# Altium PCB GEM_AFE_128.PcbDoc (part 6 of 18) (continued)
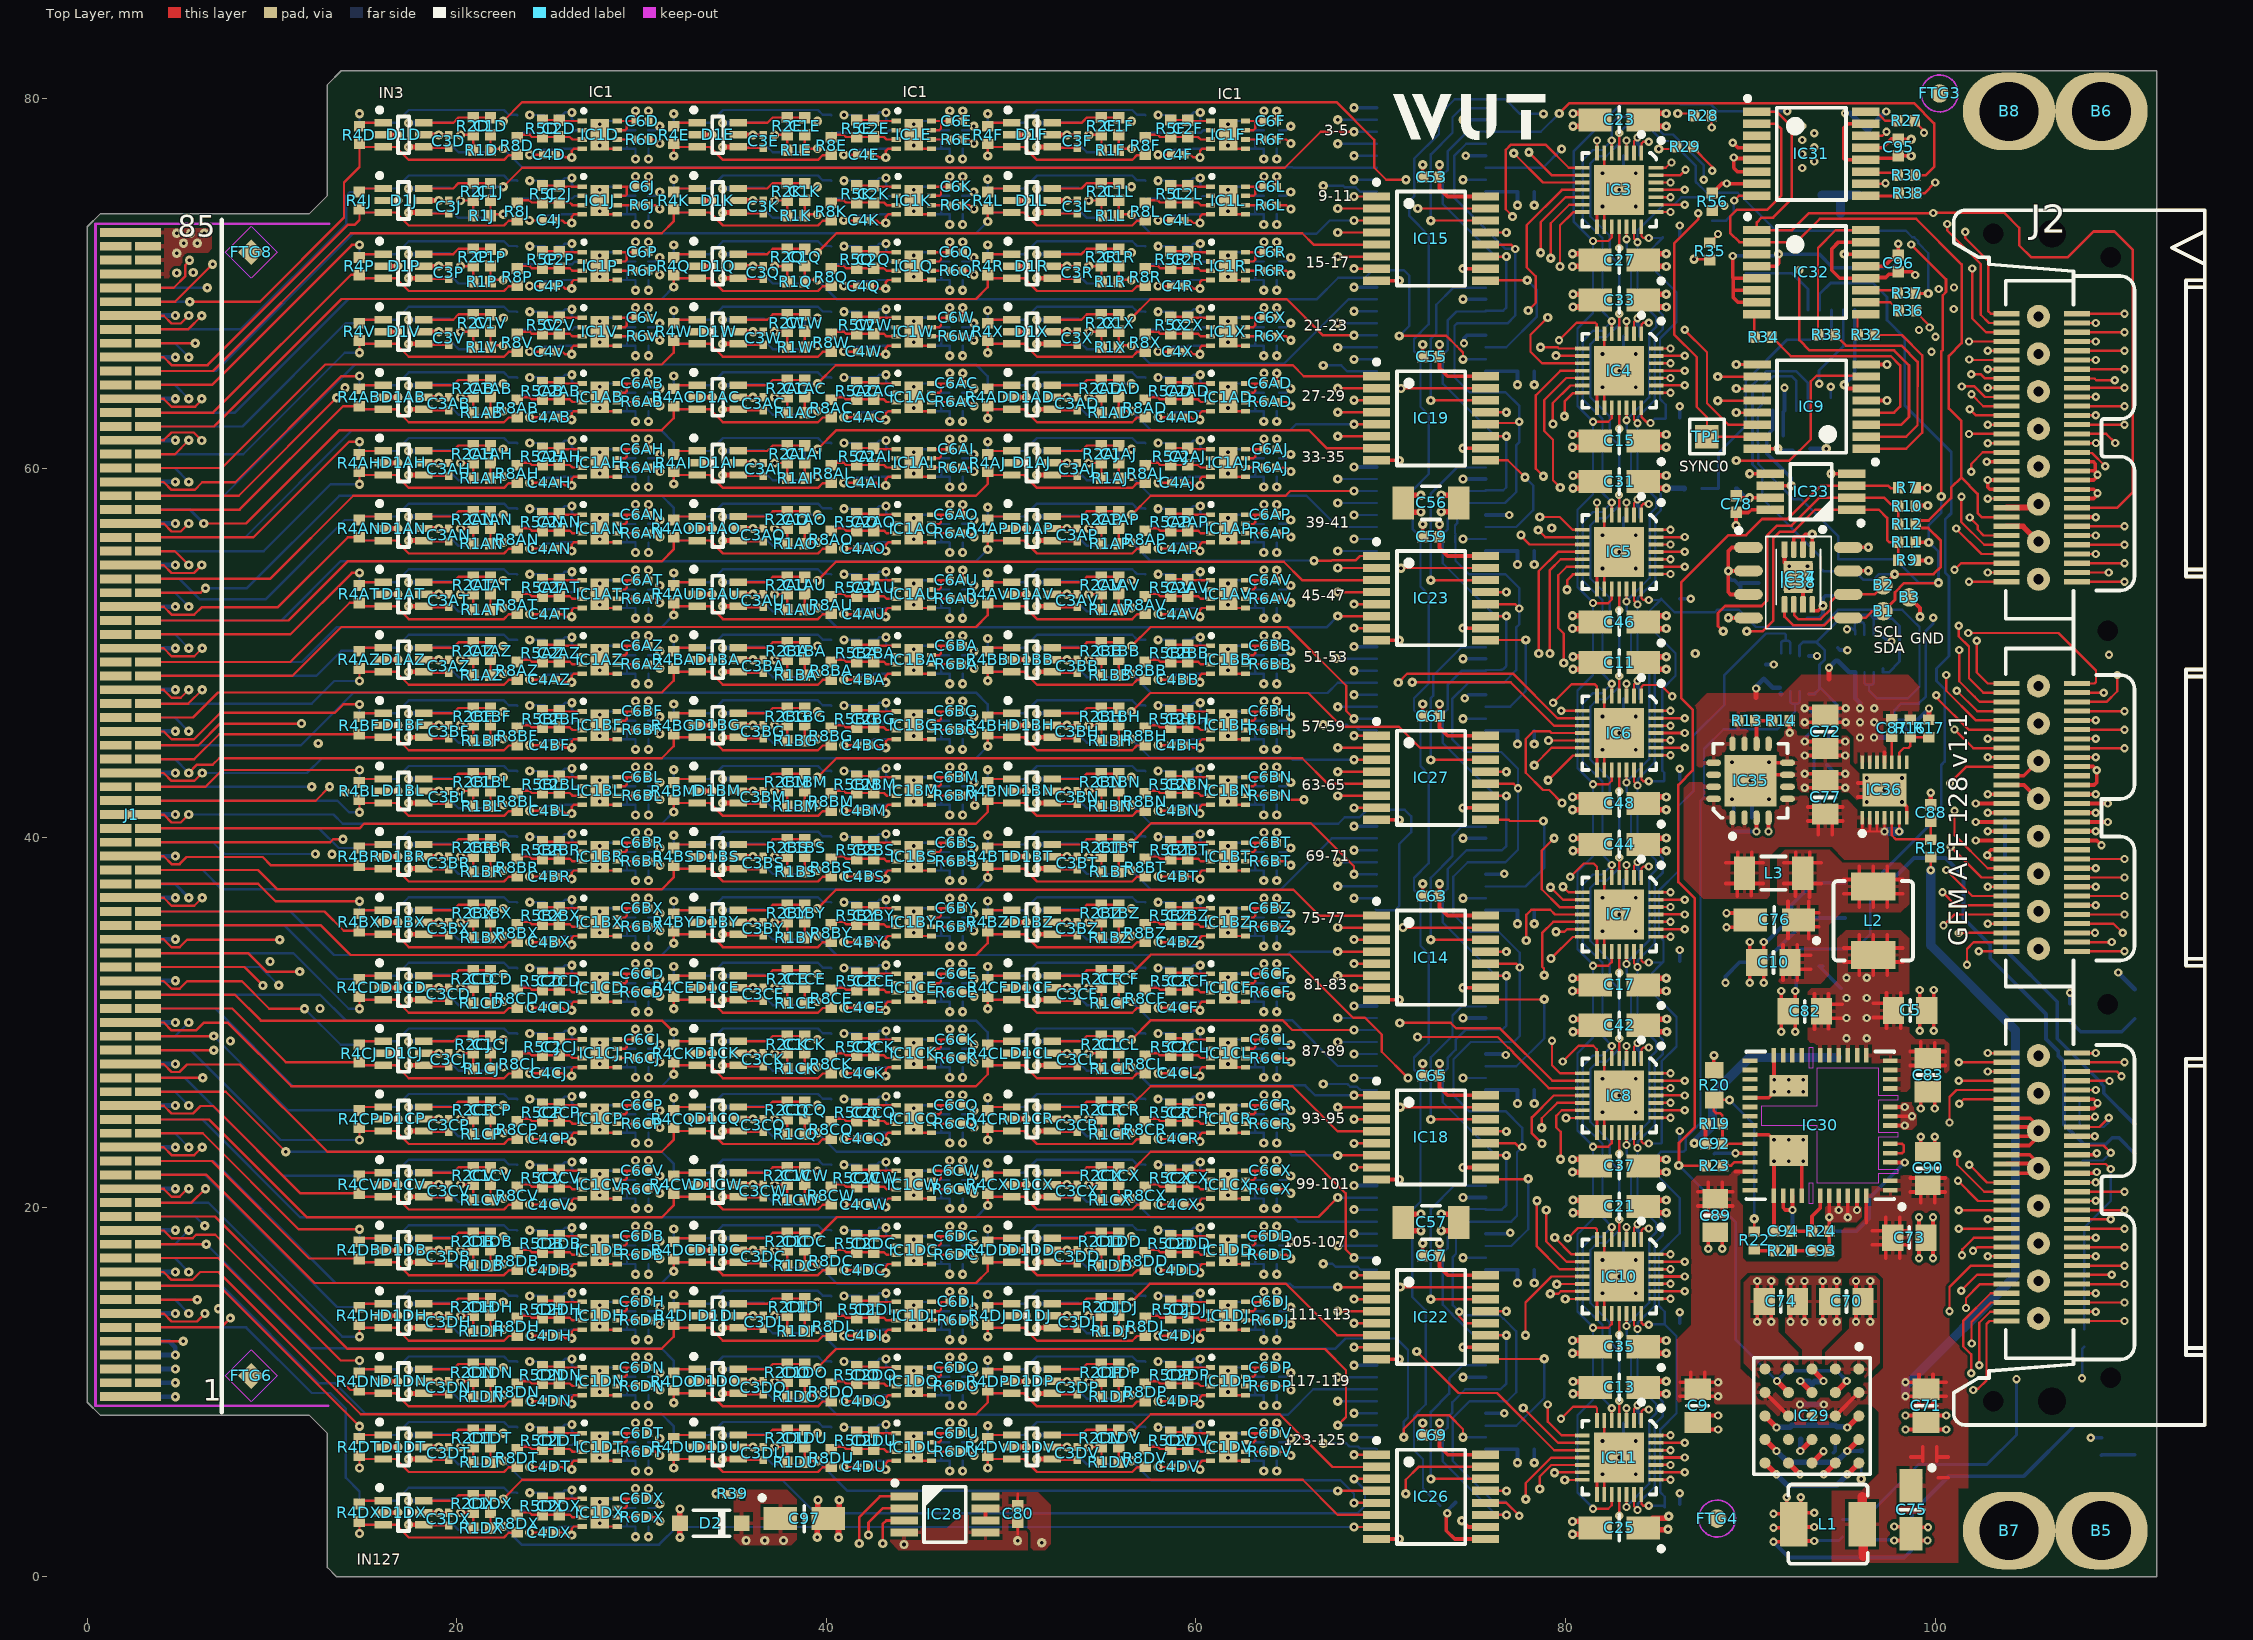
[diagram p0: Top Layer view]
## Nets (pads, with @x,y where several pads share a name; then routed paths per layer and width w, separated by ;. In a path a pad name is that pad's centre, name@x,y a point inside that pad or via, vN(x,y) a via of type N, cw(c..) or ccw(c..) an arc to the next point about the centre after c; other vN are vias at no path point) (continued)
  Bottom Layer w0.127: C1BV.2@38.826,35.405 38.827,36.24 R1BV.2@38.852,36.266 ; R1BV.2@38.852,36.166 v1(39.514,36.166)
CAL_IN74: C1BW.2 IC14.2 R1BW.2 | length 16
  Top Layer w0.127: v1(67.673,35.132) IC14.2@69.773,35.132
  L6 w0.127: v1(56.514,36.166) 57.584,36.166 57.85,35.9 60.55,35.9 61.2,36.55 62.45,36.55 62.85,36.15 64.45,36.15 64.7,36.4 66.405,36.4 v1(67.673,35.132)
  Bottom Layer w0.127: C1BW.2@55.826,35.405 55.827,36.24 R1BW.2@55.852,36.266 ; R1BW.2@55.852,36.166 v1(56.514,36.166)
CAL_IN75: C1BX.2 IC14.3 R1BX.2 | length 51.5
  Top Layer w0.127: C1BX.2@21.826,35.445 21.827,34.61 R1BX.2@21.852,34.584 ; R1BX.2@21.852,34.684 v1(22.514,34.684) ; v1(68.548,34.482) IC14.3@69.773,34.482
  L6 w0.127: v1(22.514,34.684) 23.229,35.4 31.75,35.4 33.05,36.7 38.05,36.7 39.3,35.45 48.7,35.45 49.9,36.65 55.15,36.65 56.4,35.4 66.45,35.4 67.368,34.482 v1(68.548,34.482)
CAL_IN76: C1BY.2 IC14.4 R1BY.2 | length 32.3
  Top Layer w0.127: C1BY.2@38.826,35.445 38.827,34.61 R1BY.2@38.852,34.584 ; R1BY.2@38.852,34.684 v1(39.514,34.684) ; v1(67.673,33.832) IC14.4@69.773,33.832
  Bottom Layer w0.127: v1(39.514,34.684) 40.548,33.65 64.95,33.65 65.132,33.832 v1(67.673,33.832)
CAL_IN77: C1BZ.2 IC14.5 R1BZ.2 | length 15.9
  Top Layer w0.127: C1BZ.2@55.826,35.445 55.827,34.61 R1BZ.2@55.852,34.584 ; R1BZ.2@55.852,34.684 v1(56.514,34.684) ; v1(68.548,33.182) IC14.5@69.773,33.182
  L6 w0.127: v1(56.514,34.684) 57.234,34.684 57.5,34.95 60.6,34.95 61.2,34.35 62.25,34.35 62.6,34.7 64.554,34.7 64.899,34.355 66.38,34.355 67.553,33.182 v1(68.548,33.182)
CAL_IN78: C1CA.2 IC14.6 R1CA.2 | length 49.7
  Top Layer w0.127: v1(67.673,32.532) IC14.6@69.773,32.532
  L6 w0.127: v1(22.514,32.616) 23.548,33.65 66.555,33.65 v1(67.673,32.532)
  Bottom Layer w0.127: C1CA.2@21.826,31.855 21.827,32.69 R1CA.2@21.852,32.716 ; R1CA.2@21.852,32.616 v1(22.514,32.616)
CAL_IN79: C1CB.2 IC14.7 R1CB.2 | length 33.6
  Top Layer w0.127: v1(68.548,31.882) IC14.7@69.773,31.882
  L6 w0.127: v1(39.514,32.616) 40.384,32.616 40.55,32.45 43.65,32.45 44.25,33.05 45.9,33.05 46.196,32.754 48.296,32.754 48.458,32.592 49.242,32.592 49.75,33.1 57.15,33.1 57.8,32.45 60.4,32.45 61,33.05 62.7,33.05 63.05,32.7 64.65,32.7 64.8,32.85 66.05,32.85 67.018,31.882 v1(68.548,31.882)
  Bottom Layer w0.127: C1CB.2@38.826,31.855 38.827,32.69 R1CB.2@38.852,32.716 ; R1CB.2@38.852,32.616 v1(39.514,32.616)
CAL_IN80: C1CC.2 IC16.15 R1CC.2 | length 24.5
  Top Layer w0.127: v1(56.514,32.616) 57.573,33.675 65.075,33.675 68.5,30.25 69.15,30.25 70.05,29.35 70.05,28.418 v1(71.475,26.993)
  L4 w0.127: v1(71.475,26.993) v1@74.432,26.993 ; v1@74.432,26.975 v1(74.45,26.993)
  Bottom Layer w0.127: C1CC.2@55.826,31.855 55.827,32.69 R1CC.2@55.852,32.716 ; R1CC.2@55.852,32.616 v1(56.514,32.616) ; v1(74.45,26.993) IC16.15@75.675,26.993
CAL_IN81: C1CD.2 IC16.1 R1CD.2 | length 58.6
  Top Layer w0.127: C1CD.2@21.826,31.895 21.827,31.06 R1CD.2@21.852,31.034 ; R1CD.2@21.852,31.134 v1(22.514,31.134)
  L6 w0.127: v1(22.514,31.134) 23.229,31.85 32.8,31.85 34.05,30.6 39.85,30.6 40.6,31.35 43.8,31.35 44.4,30.75 45.1,30.75 45.45,31.1 47.55,31.1 47.7,30.95 48.2,30.95 48.406,31.156 48.908,31.156 48.914,31.15 50.55,31.15 51.05,30.65 56.8,30.65 57.45,31.3 60.9,31.3 61.35,30.85 62.25,30.85 62.55,31.15 64.65,31.15 65.05,30.75 68.1,30.75 69.15,29.7 69.15,28.222 67.596,26.668 v1(66.892,26.668)
  Bottom Layer w0.127: v1(66.892,26.668) 68.205,26.668 68.349,26.524 68.716,26.524 68.897,26.343 IC16.1@69.775,26.343
CAL_IN82: C1CE.2 IC16.2 R1CE.2 | length 38.7
  Top Layer w0.127: C1CE.2@38.826,31.895 38.827,31.06 R1CE.2@38.852,31.034 ; R1CE.2@38.852,31.134 v1(39.514,31.134)
  L6 w0.127: v1(39.514,31.134) 40.279,31.9 49.35,31.9 49.85,32.4 50.914,32.4 51.264,32.05 52,32.05 52.35,32.4 55.65,32.4 56.15,31.9 66,31.9 66.5,31.4 69.05,31.4 69.7,30.75 69.7,28.143 v1(68.55,26.993)
  Bottom Layer w0.127: v1(68.55,26.993) IC16.2@69.775,26.993
CAL_IN83: C1CF.2 IC16.3 R1CF.2 | length 16.2
  Top Layer w0.127: C1CF.2@55.826,31.895 55.827,31.06 R1CF.2@55.852,31.034 ; R1CF.2@55.852,31.134 v1(56.514,31.134)
  Bottom Layer w0.127: v1(56.514,31.134) 57.523,30.125 65.193,30.125 67.675,27.643 IC16.3@69.775,27.643
CAL_IN84: C1CG.2 IC16.4 R1CG.2 | length 50.7
  L6 w0.127: v1(22.514,29.066) 23.206,28.374 32.674,28.374 33.7,29.4 38.2,29.4 39.25,28.35 49.3,28.35 49.75,28.8 50.95,28.8 51.2,28.55 51.8,28.55 52.2,28.95 55.4,28.95 56.057,28.293 v1(68.55,28.293)
  Bottom Layer w0.127: C1CG.2@21.826,28.305 21.827,29.14 R1CG.2@21.852,29.166 ; R1CG.2@21.852,29.066 v1(22.514,29.066) ; v1(68.55,28.293) IC16.4@69.775,28.293
CAL_IN85: C1CH.2 IC16.5 R1CH.2 | length 33.3
  L6 w0.127: v1(39.514,29.066) 40.334,29.066 40.6,28.8 43.35,28.8 44,29.45 45.85,29.45 46.25,29.05 47.55,29.05 48.05,29.55 56.75,29.55 57.35,28.95 60.45,28.95 60.85,29.35 62.75,29.35 63,29.1 64.65,29.1 64.9,29.35 65.6,29.35 66.007,28.943 v1(67.675,28.943)
  Bottom Layer w0.127: C1CH.2@38.826,28.305 38.827,29.14 R1CH.2@38.852,29.166 ; R1CH.2@38.852,29.066 v1(39.514,29.066) ; v1(67.675,28.943) IC16.5@69.775,28.943
CAL_IN86: C1CI.2 IC16.6 R1CI.2 | length 15.5
  Top Layer w0.127: v1(56.514,29.066) 57.573,30.125 64.675,30.125 65.207,29.593 v1(68.55,29.593)
  Bottom Layer w0.127: C1CI.2@55.826,28.305 55.827,29.14 R1CI.2@55.852,29.166 ; R1CI.2@55.852,29.066 v1(56.514,29.066) ; v1(68.55,29.593) IC16.6@69.775,29.593
CAL_IN87: C1CJ.2 IC16.7 R1CJ.2 | length 51.9
  Top Layer w0.127: C1CJ.2@21.826,28.345 21.827,27.51 R1CJ.2@21.852,27.484 ; R1CJ.2@21.852,27.584 v1(22.514,27.584)
  L6 w0.127: v1(22.514,27.584) 21.85,28.248 21.85,29.4 22.55,30.1 64.8,30.1 64.943,30.243 v1(67.675,30.243)
  Bottom Layer w0.127: v1(67.675,30.243) IC16.7@69.775,30.243
CAL_IN88: C1CK.2 IC18.15 R1CK.2 | length 40.1
  Top Layer w0.127: C1CK.2@38.826,28.345 38.827,27.51 R1CK.2@38.852,27.484 ; R1CK.2@38.852,27.584 v1(39.514,27.584) ; v1(71.05,25.405) IC18.15@75.673,25.405
  L6 w0.127: v1(39.514,27.584) 40.384,27.584 40.6,27.8 43.55,27.8 44.05,27.3 45.5,27.3 45.85,27.65 47.6,27.65 48.1,27.15 56.95,27.15 57.55,27.75 60.5,27.75 61,27.25 62.85,27.25 63.15,27.55 64.55,27.55 65.95,26.15 67.65,26.15 68,26.5 69.955,26.5 v1(71.05,25.405)
CAL_IN89: C1CL.2 IC18.1 R1CL.2 | length 15.4
  Top Layer w0.127: C1CL.2@55.826,28.345 55.827,27.51 R1CL.2@55.852,27.484 ; R1CL.2@55.852,27.584 v1(56.514,27.584) ; v1(68.549,26.054) IC18.1@69.773,26.054
  Bottom Layer w0.127: v1(56.514,27.584) 57.506,26.593 65.907,26.593 66.446,26.054 v1(68.549,26.054)
CAL_IN90: C1CM.2 IC18.2 R1CM.2 | length 49.7
  Top Layer w0.127: v1(67.673,25.405) IC18.2@69.773,25.405
  L6 w0.127: v1(22.514,25.516) 23.548,26.55 65,26.55 66.145,25.405 v1(67.673,25.405)
  Bottom Layer w0.127: C1CM.2@21.826,24.755 21.827,25.59 R1CM.2@21.852,25.616 ; R1CM.2@21.852,25.516 v1(22.514,25.516)
CAL_IN91: C1CN.2 IC18.3 R1CN.2 | length 33.7
  Top Layer w0.127: v1(68.548,24.755) IC18.3@69.773,24.755
  L6 w0.127: v1(39.514,25.516) 40.434,25.516 40.65,25.3 43.75,25.3 44.35,25.9 45.85,25.9 46.1,25.65 47.846,25.65 47.85,25.654 48.246,25.654 48.4,25.5 49.25,25.5 49.8,26.05 56.65,26.05 57.45,25.25 60.45,25.25 61,25.8 63.05,25.8 63.35,25.5 64.6,25.5 64.796,25.696 65.343,25.696 66.284,24.755 v1(68.548,24.755)
  Bottom Layer w0.127: C1CN.2@38.826,24.755 38.827,25.59 R1CN.2@38.852,25.616 ; R1CN.2@38.852,25.516 v1(39.514,25.516)
CAL_IN92: C1CO.2 IC18.4 R1CO.2 | length 16.2
  Top Layer w0.127: v1(56.514,25.516) 57.548,26.55 65.228,26.55 67.674,24.104 IC18.4@69.773,24.105
  Bottom Layer w0.127: C1CO.2@55.826,24.755 55.827,25.59 R1CO.2@55.852,25.616 ; R1CO.2@55.852,25.516 v1(56.514,25.516)
CAL_IN93: C1CP.2 IC18.5 R1CP.2 | length 51.5
  Top Layer w0.127: C1CP.2@21.826,24.795 21.827,23.96 R1CP.2@21.852,23.934 ; R1CP.2@21.852,24.034 v1(22.514,24.034) ; v1(68.548,23.455) IC18.5@69.773,23.454
  L6 w0.127: v1(22.514,24.034) 23.229,24.75 32.15,24.75 33.25,25.85 37.7,25.85 38.8,24.75 49.6,24.75 50.75,23.6 54.3,23.6 55.45,24.75 65.65,24.75 66.945,23.455 v1(68.548,23.455)
CAL_IN94: C1CQ.2 IC18.6 R1CQ.2 | length 32.3
  Top Layer w0.127: C1CQ.2@38.826,24.795 38.827,23.96 R1CQ.2@38.852,23.934 ; R1CQ.2@38.852,24.034 v1(39.514,24.034) ; v1(67.673,22.805) IC18.6@69.773,22.805
  Bottom Layer w0.127: v1(39.514,24.034) 40.548,23 65,23 65.195,22.805 v1(67.673,22.805)
CAL_IN95: C1CR.2 IC18.7 R1CR.2 | length 16.2
  Top Layer w0.127: C1CR.2@55.826,24.795 55.827,23.96 R1CR.2@55.852,23.934 ; R1CR.2@55.852,24.034 v1(56.514,24.034) ; v1(68.548,22.155) IC18.7@69.773,22.155
  L6 w0.127: v1(56.514,24.034) 57.484,24.034 57.7,24.25 60.7,24.25 61.3,23.65 62.05,23.65 62.55,24.15 64.45,24.15 64.75,23.85 65.75,23.85 67.445,22.155 v1(68.548,22.155)
CAL_IN96: C1CS.2 IC20.15 R1CS.2 | length 58.4
  L6 w0.127: v1(22.514,21.966) 23.548,23 65.55,23 66.85,21.7 69.15,21.7 71.15,19.7 71.15,18.1 71.979,17.271 v1(74.45,17.271)
  Bottom Layer w0.127: C1CS.2@21.826,21.205 21.827,22.04 R1CS.2@21.852,22.066 ; R1CS.2@21.852,21.966 v1(22.514,21.966) ; v1(74.45,17.271) IC20.15@75.675,17.271
CAL_IN97: C1CT.2 IC20.1 R1CT.2 | length 42.9
  L6 w0.127: v1(39.514,21.966) 40.484,21.966 40.7,21.75 43.4,21.75 44,22.35 45.95,22.35 46.3,22 47.65,22 47.8,22.15 48.25,22.15 48.45,21.95 49.5,21.95 50,22.45 56.95,22.45 57.6,21.8 60.75,21.8 61.3,22.35 62.7,22.35 63.05,22 64.8,22 64.95,22.15 65.7,22.15 66.75,21.1 67.966,21.1 68.374,20.691 69.159,20.691 69.769,20.081 69.769,17.669 68.9,16.8 68.095,16.8 67.947,16.947 v1(66.892,16.947)
  Bottom Layer w0.127: C1CT.2@38.826,21.205 38.827,22.04 R1CT.2@38.852,22.066 ; R1CT.2@38.852,21.966 v1(39.514,21.966) ; v1(66.892,16.947) 67.378,16.947 67.55,16.775 68.75,16.775 68.904,16.621 IC20.1@69.775,16.621
CAL_IN98: C1CU.2 IC20.2 R1CU.2 | length 19.4
  Top Layer w0.127: v1(56.514,21.966) 57.548,23 65.859,23 68.1,20.759 68.1,17.721 v1(68.55,17.271)
  Bottom Layer w0.127: C1CU.2@55.826,21.205 55.827,22.04 R1CU.2@55.852,22.066 ; R1CU.2@55.852,21.966 v1(56.514,21.966) ; v1(68.55,17.271) IC20.2@69.775,17.271
CAL_IN99: C1CV.2 IC20.3 R1CV.2 | length 49.9
  Top Layer w0.127: C1CV.2@21.827,21.245 21.827,20.41 R1CV.2@21.852,20.384 ; R1CV.2@21.852,20.484 v1(22.514,20.484)
  L6 w0.127: v1(22.514,20.484) 23.548,19.45 65,19.45 66.529,17.921 v1(67.675,17.921)
  Bottom Layer w0.127: v1(67.675,17.921) IC20.3@69.775,17.921
CAL_IN100: C1CW.2 IC20.4 R1CW.2 | length 35.8
  Top Layer w0.127: C1CW.2@38.827,21.245 38.827,20.41 R1CW.2@38.852,20.384 ; R1CW.2@38.852,20.484 v1(39.514,20.484)
  L6 w0.127: v1(39.514,20.484) 40.279,21.25 49.75,21.25 50.2,21.7 50.964,21.7 51.212,21.452 51.902,21.452 52.2,21.75 55.75,21.75 56.25,21.25 65.75,21.25 67,20 67.85,20 68.2,20.35 68.8,20.35 69.1,20.05 69.1,19.121 v1(68.55,18.571)
  Bottom Layer w0.127: v1(68.55,18.571) IC20.4@69.775,18.571
CAL_IN101: C1CX.2 IC20.5 R1CX.2 | length 15.3
  Top Layer w0.127: C1CX.2@55.827,21.245 55.827,20.41 R1CX.2@55.852,20.384 ; R1CX.2@55.852,20.484 v1(56.514,20.484)
  Bottom Layer w0.127: v1(56.514,20.484) 57.548,19.45 65.3,19.45 65.529,19.221 67.675,19.221 IC20.5@69.775,19.221
CAL_IN102: C1CY.2 IC20.6 R1CY.2 | length 55.1
  L6 w0.127: v1(22.514,18.416) 22,18.929 22,20.7 22.5,21.2 32.6,21.2 33.9,19.9 39.9,19.9 40.7,20.7 43.9,20.7 44.5,20.1 45.65,20.1 46.15,20.6 47.4,20.6 47.7,20.3 48.2,20.3 48.5,20.6 50.45,20.6 51,20.05 57.15,20.05 57.8,20.7 60.45,20.7 61.05,20.1 62.7,20.1 63.05,20.45 64.7,20.45 65.75,19.4 68.079,19.4 v1(68.55,19.871)
  Bottom Layer w0.127: C1CY.2@21.826,17.655 21.827,18.49 R1CY.2@21.852,18.516 ; R1CY.2@21.852,18.416 v1(22.514,18.416) ; v1(68.55,19.871) IC20.6@69.775,19.871
CAL_IN103: C1CZ.2 IC20.7 R1CZ.2 | length 32.6
  Top Layer w0.127: v1(39.514,18.416) 40.573,19.475 66.629,19.475 v1(67.675,20.521)
  Bottom Layer w0.127: C1CZ.2@38.826,17.655 38.827,18.49 R1CZ.2@38.852,18.516 ; R1CZ.2@38.852,18.416 v1(39.514,18.416) ; v1@67.779,20.521 IC20.7@69.775,20.521
CAL_IN104: C1DA.2 IC22.15 R1DA.2 | length 21.8
  Top Layer w0.127: v1(71.05,15.677) IC22.15@75.673,15.677
  L6 w0.127: v1(56.514,18.416) 57.279,17.65 63.831,17.65 64.708,16.773 65.8,16.773 66.423,16.15 67.85,16.15 68.323,15.677 v1(71.05,15.677)
  Bottom Layer w0.127: C1DA.2@55.826,17.655 55.827,18.49 R1DA.2@55.852,18.516 ; R1DA.2@55.852,18.416 v1(56.514,18.416)
CAL_IN105: C1DB.2 IC22.1 R1DB.2 | length 52.2
  Top Layer w0.127: C1DB.2@21.826,17.695 21.827,16.86 R1DB.2@21.852,16.834 ; R1DB.2@21.852,16.934 v1(22.514,16.934) ; v1(68.548,16.327) IC22.1@69.773,16.327
  L6 w0.127: v1(22.514,16.934) 23.229,17.65 32.45,17.65 33.65,18.85 37.3,18.85 38.45,17.7 49.05,17.7 50.35,19 56.95,19 57.7,18.25 60.7,18.25 61.3,18.85 63.05,18.85 64.2,17.7 65.5,17.7 66.7,16.5 67.9,16.5 68.073,16.327 v1(68.548,16.327)
CAL_IN106: C1DC.2 IC22.2 R1DC.2 | length 32.3
  Top Layer w0.127: C1DC.2@38.826,17.695 38.827,16.86 R1DC.2@38.852,16.834 ; R1DC.2@38.852,16.934 v1(39.514,16.934) ; v1@67.673,15.677 IC22.2@69.773,15.677
  Bottom Layer w0.127: v1(39.514,16.934) 40.584,15.864 65.086,15.864 65.273,15.677 v1(67.673,15.677)
CAL_IN107: C1DD.2 IC22.3 R1DD.2 | length 15.8
  Top Layer w0.127: C1DD.2@55.826,17.695 55.827,16.86 R1DD.2@55.852,16.834 ; R1DD.2@55.852,16.934 v1(56.514,16.934) ; v1(68.548,15.027) IC22.3@69.773,15.027
  L6 w0.127: v1(56.514,16.934) 57.534,16.934 57.8,17.2 60.7,17.2 62,15.9 65.958,15.9 66.831,15.027 v1(68.548,15.027)
CAL_IN108: C1DE.2 IC22.4 R1DE.2 | length 50
  Top Layer w0.127: v1(67.673,14.377) IC22.4@69.773,14.377
  L6 w0.127: v1(22.514,14.866) 23.548,15.9 61.35,15.9 62.35,14.9 64.6,14.9 64.8,15.1 65.95,15.1 66.673,14.377 v1(67.673,14.377)
  Bottom Layer w0.127: C1DE.2@21.826,14.105 21.827,14.94 R1DE.2@21.852,14.966 ; R1DE.2@21.852,14.866 v1(22.514,14.866)
CAL_IN109: C1DF.2 IC22.5 R1DF.2 | length 33.2
  Top Layer w0.127: v1(68.548,13.727) IC22.5@69.773,13.727
  L6 w0.127: v1(39.514,14.866) 40.256,14.123 48.673,14.123 49.85,15.3 55.2,15.3 56.365,14.135 66.315,14.135 66.723,13.727 v1(68.548,13.727)
  Bottom Layer w0.127: C1DF.2@38.826,14.105 38.827,14.94 R1DF.2@38.852,14.966 ; R1DF.2@38.852,14.866 v1(39.514,14.866)
CAL_IN110: C1DG.2 IC22.6 R1DG.2 | length 16.4
  Top Layer w0.127: v1(56.514,14.866) 57.506,15.857 64.873,15.857 67.653,13.077 IC22.6@69.773,13.077
  Bottom Layer w0.127: C1DG.2@55.826,14.105 55.827,14.94 R1DG.2@55.852,14.966 ; R1DG.2@55.852,14.866 v1(56.514,14.866)
CAL_IN111: C1DH.2 IC22.7 R1DH.2 | length 49.9
  Top Layer w0.127: C1DH.2@21.826,14.145 21.827,13.31 R1DH.2@21.852,13.284 ; R1DH.2@21.852,13.384 v1(22.514,13.384) ; v1(68.548,12.427) IC22.7@69.773,12.427
  L6 w0.127: v1(22.514,13.384) 23.266,14.136 32.914,14.136 34.7,12.35 64.65,12.35 64.727,12.427 v1(68.548,12.427)
CAL_IN112: C1DI.2 IC24.15 R1DI.2 | length 45.2
  Top Layer w0.127: C1DI.2@38.826,14.145 38.827,13.31 R1DI.2@38.852,13.284 ; R1DI.2@38.852,13.384 v1(39.514,13.384) ; v1(71.238,7.55) 71.238,7.988 72,8.75 73.689,8.75 74.45,7.989 v1(74.45,7.55)
  Bottom Layer w0.127: v1(39.514,13.384) 40.548,12.35 67.55,12.35 68.1,12.9 70.85,12.9 71.475,12.275 71.475,8.622 71.238,8.385 v1(71.238,7.55) ; v1(74.45,7.55) IC24.15@75.675,7.55
CAL_IN113: C1DJ.2 IC24.1 R1DJ.2 | length 27.3
  Top Layer w0.127: C1DJ.2@55.826,14.145 55.827,13.31 R1DJ.2@55.852,13.284 ; R1DJ.2@55.852,13.384 v1(56.514,13.384)
  L6 w0.127: v1(56.514,13.384) 57.384,13.384 57.6,13.6 60.65,13.6 61.25,13 62.2,13 62.6,13.4 64.6,13.4 64.9,13.1 69.25,13.1 70.3,12.05 70.3,8 69.4,7.1 68,7.1 67.874,7.226 v1(66.892,7.226)
  Bottom Layer w0.127: v1(66.892,7.226) 68.136,7.226 68.306,7.055 68.768,7.055 68.879,6.945 69.73,6.945 IC24.1@69.775,6.9
CAL_IN114: C1DK.2 IC24.2 R1DK.2 | length 51.3
  L6 w0.127: v1(22.514,11.316) 23.269,10.56 32.79,10.56 33.9,9.45 38.3,9.45 39.1,10.25 43.25,10.25 43.95,9.55 45.55,9.55 45.85,9.85 47.45,9.85 48.5,8.8 66.25,8.8 67.5,7.55 v1(68.55,7.55)
  Bottom Layer w0.127: C1DK.2@21.826,10.555 21.827,11.39 R1DK.2@21.852,11.416 ; R1DK.2@21.852,11.316 v1(22.514,11.316) ; v1(68.55,7.55) IC24.2@69.775,7.55
CAL_IN115: C1DL.2 IC24.3 R1DL.2 | length 36.3
  Top Layer w0.127: v1(39.514,11.316) 40.523,12.325 66.975,12.325 68.119,11.181 68.119,8.644 v1(67.675,8.2)
  Bottom Layer w0.127: C1DL.2@38.826,10.555 38.827,11.39 R1DL.2@38.852,11.416 ; R1DL.2@38.852,11.316 v1(39.514,11.316) ; v1(67.675,8.2) IC24.3@69.775,8.2
CAL_IN116: C1DM.2 IC24.4 R1DM.2 | length 19.8
  L6 w0.127: v1(56.514,11.316) 57.434,11.316 57.65,11.1 60.35,11.1 61,11.75 62.75,11.75 63.165,11.335 64.635,11.335 65.25,11.95 69.05,11.95 69.5,11.5 69.5,9.8 v1(68.55,8.85)
  Bottom Layer w0.127: C1DM.2@55.826,10.555 55.827,11.39 R1DM.2@55.852,11.416 ; R1DM.2@55.852,11.316 v1(56.514,11.316) ; v1(68.55,8.85) IC24.4@69.775,8.85
CAL_IN117: C1DN.2 IC24.5 R1DN.2 | length 53.9
  Top Layer w0.127: C1DN.2@21.826,10.595 21.827,9.76 R1DN.2@21.852,9.734 ; R1DN.2@21.852,9.834 v1(22.514,9.834)
  L6 w0.127: v1(22.514,9.834) 21.85,10.498 21.85,11.55 22.659,12.359 32.941,12.359 33.6,11.7 37.8,11.7 38.9,10.6 49.75,10.6 51,9.35 56.9,9.35 57.6,10.05 60.65,10.05 61.2,9.5 62.2,9.5 62.6,9.9 64.5,9.9 64.9,9.5 v1(67.675,9.5)
  Bottom Layer w0.127: v1(67.675,9.5) IC24.5@69.775,9.5
CAL_IN118: C1DO.2 IC24.6 R1DO.2 | length 32.8
  Top Layer w0.127: C1DO.2@38.826,10.595 38.827,9.76 R1DO.2@38.852,9.734 ; R1DO.2@38.852,9.834 v1(39.514,9.834)
  Bottom Layer w0.127: v1(39.514,9.834) 40.573,8.775 64.975,8.775 66.35,10.15 68.55,10.15 IC24.6@69.775,10.15
CAL_IN119: C1DP.2 IC24.7 R1DP.2 | length 15.2
  Top Layer w0.127: C1DP.2@55.826,10.595 55.827,9.76 R1DP.2@55.852,9.734 ; R1DP.2@55.852,9.834 v1(56.514,9.834)
  L6 w0.127: v1(56.514,9.834) 57.258,10.579 65.629,10.579 65.85,10.8 v1(67.675,10.8)
  Bottom Layer w0.127: v1(67.675,10.8) IC24.7@69.775,10.8
CAL_IN120: C1DQ.2 IC26.15 R1DQ.2 | length 57.9
  Top Layer w0.127: v1(71.35,4.5) 71.35,5.25 72.05,5.95 IC26.15@75.675,5.95
  L2 w0.127: v1(22.514,7.766) 23.134,7.766 25.704,5.196 28.279,5.196 29.121,4.354 32.854,4.354 33.6,5.1 42.243,5.1 42.989,4.354 67.384,4.354 67.503,4.235 67.986,4.235 68.252,4.5 v1(71.35,4.5)
  Bottom Layer w0.127: C1DQ.2@21.826,7.005 21.827,7.84 R1DQ.2@21.852,7.866 ; R1DQ.2@21.852,7.766 v1(22.514,7.766)
CAL_IN121: C1DR.2 IC26.1 R1DR.2 | length 33.3
  Top Layer w0.127: v1(68.55,6.6) IC26.1@69.775,6.6
  L6 w0.127: v1(39.514,7.766) 40.268,7.011 49.011,7.011 50.2,8.2 55.15,8.2 56.322,7.028 66.272,7.028 66.7,6.6 v1(68.55,6.6)
  Bottom Layer w0.127: C1DR.2@38.826,7.005 38.827,7.84 R1DR.2@38.852,7.866 ; R1DR.2@38.852,7.766 v1(39.514,7.766)
CAL_IN122: C1DS.2 IC26.2 R1DS.2 | length 16.4
  Top Layer w0.127: v1(56.514,7.766) 57.548,8.8 64.526,8.8 67.382,5.944 IC26.2@69.769,5.944
  Bottom Layer w0.127: C1DS.2@55.826,7.005 55.827,7.84 R1DS.2@55.852,7.866 ; R1DS.2@55.852,7.766 v1(56.514,7.766)
CAL_IN123: C1DT.2 IC26.3 R1DT.2 | length 52.4
  Top Layer w0.127: C1DT.2@21.826,7.045 21.827,6.21 R1DT.2@21.852,6.184 ; R1DT.2@21.852,6.284 v1(22.514,6.284) ; v1(68.55,5.3) IC26.3@69.775,5.3
  Bottom Layer w0.127: v1(22.514,6.284) 23.573,5.225 37.626,5.225 39.414,3.437 68.737,3.437 69.15,3.85 69.15,4.7 v1(68.55,5.3)
CAL_IN124: C1DU.2 IC26.4 R1DU.2 | length 32.5
  Top Layer w0.127: C1DU.2@38.826,7.045 38.827,6.21 R1DU.2@38.852,6.184 ; R1DU.2@38.852,6.284 v1(39.514,6.284) ; v1(67.675,4.65) IC26.4@69.775,4.65
  Bottom Layer w0.127: v1(39.514,6.284) 41.148,4.65 v1(67.675,4.65)
CAL_IN125: C1DV.2 IC26.5 R1DV.2 | length 16
  Top Layer w0.127: C1DV.2@55.826,7.045 55.827,6.21 R1DV.2@55.852,6.184 ; R1DV.2@55.852,6.284 v1(56.514,6.284) ; v1(68.55,4) IC26.5@69.775,4
  Bottom Layer w0.127: v1(56.514,6.284) 57.573,5.225 67.825,5.225 68.55,4.5 v1(68.55,4)
CAL_IN126: C1DW.2 IC26.6 R1DW.2 | length 50
  Top Layer w0.127: v1(22.514,4.216) 23.548,5.25 65.775,5.25 67.675,3.35 IC26.6@69.775,3.35
  Bottom Layer w0.127: C1DW.2@21.826,3.455 21.827,4.29 R1DW.2@21.852,4.316 ; R1DW.2@21.852,4.216 v1(22.514,4.216)
CAL_IN127: C1DX.2 IC26.7 R1DX.2 | length 49.6
  Top Layer w0.127: C1DX.2@21.826,3.495 21.827,2.66 R1DX.2@21.852,2.634 ; R1DX.2@21.852,2.734 v1(22.514,2.734) ; v1(68.55,2.7) IC26.7@69.775,2.7
  Bottom Layer w0.127: v1(22.514,2.734) 23.506,1.743 30.95,1.743 31.908,2.7 v1(68.55,2.7)
CAL_ON: J2.146 R26.1 | length 11.2
  Top Layer w0.127: J2.146@107.671,22.341 109.23,22.341 v2(109.504,22.067)
  Bottom Layer w0.127: R26.1@108.076,13.396 108.076,18.917 109.504,20.345 v2(109.504,22.067)
CAL_SRCLK: IC12.11 IC13.11 IC14.11 IC15.11 IC16.11 IC17.11 IC18.11 IC19.11 IC20.11 IC21.11 IC22.11 IC23.11 IC24.11 IC25.11 IC26.11 IC27.11 R30.2 | length 148.7
  Top Layer w0.127: IC18.11@75.672,22.805 IC18.11@75.673,22.805 v1(76.797,22.805) v1@76.897,22.805 ; IC22.11@75.673,13.077 v1(76.798,13.077) v1@76.898,13.077 ; IC14.11@75.673,32.532 v1(76.798,32.532) v1@76.898,32.532 ; IC27.11@75.673,42.259 v1(76.798,42.259) v1@76.898,42.259 ; IC23.11@75.673,51.986 v1(76.798,51.986) v1@76.898,51.986 ; IC19.11@75.673,61.714 v1(76.798,61.714) v1@76.898,61.714 ; IC15.11@75.673,71.441 v1(76.798,71.441) v1@76.898,71.441 ; IC26.11@75.676,3.35 v1(76.8,3.35) v1@76.9,3.35
  Top Layer w0.14: v1(79.655,79.187) 80.211,79.743 95.958,79.743 96.751,79.743 98.851,79.743 99.948,78.646 99.948,76.298 99.494,75.844 R30.2@98.926,75.844
  Bottom Layer w0.127: IC20.11@75.675,19.871 76.542,19.871 76.798,20.128 76.798,22.834 76.208,22.834 73.358,25.683 73.358,27.25 73.616,27.507 73.616,28.083 74.049,28.516 74.049,29.061 74.582,29.593 IC16.11@75.675,29.593 ; IC20.11@75.675,19.902 74.497,19.902 73.864,19.269 73.864,18.609 73.616,18.361 73.616,17.785 73.358,17.528 73.358,14.731 73.86,14.229 73.86,14.188 74.088,13.96 74.129,13.96 74.977,13.112 76.798,13.112 v1(76.798,13.077) 76.798,10.469 76.479,10.15 IC24.11@75.675,10.15 74.576,10.15 73.875,9.449 73.875,8.899 73.616,8.64 73.616,8.064 73.358,7.807 73.358,6.24 76.208,3.391 v1@76.798,3.391 ; IC25.11@75.675,49.036 74.396,49.036 73.616,48.255 73.616,46.95 73.358,46.693 73.358,45.126 76.208,42.277 76.798,42.277 v1(76.798,42.259) 76.798,39.549 76.564,39.314 IC12.11@75.675,39.314 74.642,39.314 73.616,38.287 73.616,37.228 73.358,36.971 73.358,35.405 76.208,32.555 76.798,32.555 v1(76.798,32.532) 76.798,29.823 76.723,29.748 ; IC21.11@75.675,58.757 74.068,58.757 73.884,58.574 73.884,57.516 73.616,57.247 73.616,56.671 73.358,56.414 73.358,54.848 76.208,51.998 76.798,51.998 v1(76.798,51.986) 76.798,49.41 cw(c76.46,49.41) 76.46,49.071 IC25.11@75.676,49.071 ; IC13.11@75.675,78.2 75.663,78.212 74.698,78.212 73.616,77.129 73.616,76.114 73.358,75.857 73.358,74.29 76.208,71.441 v1(76.798,71.441) 76.798,68.692 76.62,68.514 IC17.11@75.676,68.514 ; IC16.11@75.676,29.628 76.599,29.628 76.721,29.75 ; IC21.11@75.676,58.792 76.628,58.792 76.798,58.963 v1(76.798,61.714) 76.798,61.719 76.208,61.719 73.358,64.569 73.358,66.135 73.616,66.393 73.616,67.983 74.099,68.466 IC17.11@75.676,68.466 ; IC13.11@75.681,78.194 78.662,78.194 v1(79.655,79.187)
CAL_SRDAT: IC13.14 R29.1 | length 12.8
  Top Layer w0.127: v1(85.037,77.265) 85.856,77.265 R29.1@85.978,77.387
  L2 w0.127: v1(79.786,77.263) 81.523,79 84.25,79 85.037,78.213 v1(85.037,77.265)
  Bottom Layer w0.127: IC13.14@75.675,76.25 78.773,76.25 v1(79.786,77.263)
CAL_SRDAT_OUT: R3.2 R28.1 | length 96
  Top Layer w0.127: v1(86.075,79.186) 86.878,79.186 86.963,79.1 R28.1@86.963,79.068 R28.1@86.963,78.863
  L2 w0.127: v1(78.806,79.163) 79.245,79.602 79.827,79.602 79.829,79.6 80.225,79.6 80.227,79.602 85.659,79.602 v1(86.075,79.186)
  Bottom Layer w0.127: R3.2@73.23,3.833 72.285,4.777 72.285,6.365 71.8,6.85 71.8,8.7 72.433,9.333 72.433,14.417 71.7,15.15 71.7,19.85 72.15,20.3 72.15,27.1 71.8,27.45 71.8,28.1 72.6,28.9 72.6,33.7 72.15,34.15 72.15,36.821 71.8,37.171 71.8,37.821 72.6,38.621 72.6,43.421 72.15,43.871 72.15,46.543 71.8,46.893 71.8,47.543 72.6,48.343 72.6,53.143 72.15,53.593 72.15,56.264 71.737,56.677 71.737,58.812 72.6,59.675 72.6,62.864 72.15,63.314 72.15,65.986 71.8,66.336 71.8,66.986 72.6,67.786 72.6,72.586 71.55,73.636 71.55,74.435 71.805,74.689 71.805,76.732 73.15,78.077 73.15,79.1 74,79.95 76.75,79.95 77.537,79.163 v1(78.806,79.163)
CS_A0: IC9.1 R32.1 | length 10.6
  Top Layer w0.127: IC9.1@96.265,61.05 98.434,61.05 99.302,61.918 99.302,66.095 98.197,67.2 R32.1@96.736,67.2
CS_A1: IC9.2 R33.1 | length 11.5
  Top Layer w0.127: IC9.2@96.265,61.7 98.437,61.7 99.047,62.31 99.047,64.43
  Top Layer w0.14: R33.1@94.596,67.2 95.176,66.62 98.176,66.62 99.047,65.749 99.047,64.43
CS_A2: IC9.3 R38.2 | length 27.1
  Top Layer w0.14: v2(92.65,70.7) 92.65,66.919 93.205,66.364 97.781,66.364 98.584,65.56 98.584,62.762 98.172,62.35 IC9.3@96.265,62.35 ; R38.2@98.976,74.864 99.414,74.864 v2(100,75.45)
  L2 w0.14: v2(92.65,70.7) 96.068,70.7 97.027,71.659 97.027,73.242 99.235,75.45 v2(100,75.45)
CSn: IC9.4 R34.2 | length 11.8
  Top Layer w0.14: R34.2@91.159,67.087 92.198,66.049 97.601,66.049 98.1,65.55 98.1,63.317 97.783,63 IC9.4@96.265,63
DAC_LDACn: IC3.17 IC4.17 IC5.17 IC6.17 IC7.17 IC8.17 IC10.17 IC11.17 R27.1 | length 113.6
  Top Layer w0.127: v2(81.483,3.687) 82.309,3.687 82.5,3.877 IC11.17@82.5,4.453 ; v2(81.483,13.483) 82.309,13.483 82.5,13.673 IC10.17@82.5,14.249 ; v2(81.483,23.279) 82.309,23.279 82.5,23.469 IC8.17@82.5,24.045 ; v2(81.483,33.075) 82.309,33.075 82.5,33.265 IC7.17@82.5,33.841 ; v2(81.483,42.892) 82.309,42.892 82.5,43.082 IC6.17@82.5,43.658 ; v2(81.482,52.692) 82.309,52.692 82.5,52.882 IC5.17@82.5,53.458 ; v2(81.483,72.284) 82.309,72.284 82.5,72.474 IC3.17@82.5,73.05 ; v2(81.485,62.499) 82.311,62.499 82.502,62.689 IC4.17@82.502,63.265 ; R27.1@98.892,78.793 98.892,78.753 99.396,78.249 v2(99.396,78.137)
  L2 w0.127: v2(92,79.3) 92.8,79.3 93.311,78.789 98.744,78.789 v2(99.396,78.137)
  Bottom Layer w0.127: v2@81.482,52.717 80.642,53.557 80.642,57.738 81.482,58.578 ; v2(81.483,72.284) 80.45,73.316 80.45,77.15 83.026,79.726 86.188,79.726 86.244,79.67 87.874,79.67 88.244,79.3 v2(92,79.3) ; v2@81.485,3.723 80.645,4.563 80.645,8.744 81.485,9.584 v2@81.485,13.505 ; v2@81.485,13.519 80.645,14.359 80.645,18.54 81.485,19.38 v2@81.485,23.301 ; v2@81.485,23.315 80.645,24.155 80.645,28.336 81.485,29.176 v2@81.485,33.097 ; v2@81.485,33.132 80.645,33.972 80.645,38.153 81.485,38.993 v2@81.485,42.914 ; v2@81.484,42.932 80.644,43.772 80.644,47.953 81.484,48.793 v2@81.484,52.714 ; 81.485,58.578 v2(81.485,62.499) ; v2@81.485,62.524 80.645,63.364 80.645,67.545 81.485,68.385 v2@81.485,72.306
DAC_RESETn: IC3.20 IC4.20 IC5.20 IC6.20 IC7.20 IC8.20 IC10.20 IC11.20 R31.2 R56.1 | length 90.3
  Top Layer w0.127: IC5.20@83.7,53.458 83.7,52.824 83.888,52.635 v2(83.888,52.62) ; IC11.20@83.7,4.453 83.7,3.819 83.889,3.631 v2(83.889,3.615) ; IC10.20@83.7,14.249 83.7,13.615 83.889,13.427 v2(83.889,13.411) ; IC8.20@83.7,24.045 83.7,23.411 83.889,23.223 v2(83.889,23.207) ; IC7.20@83.7,33.841 83.7,33.207 83.889,33.019 v2(83.889,33.003) ; IC6.20@83.7,43.658 83.7,43.024 83.889,42.836 v2(83.889,42.82) ; IC3.20@83.7,73.05 83.7,72.416 83.889,72.228 v2(83.889,72.212) ; IC4.20@83.702,63.265 83.702,62.631 83.891,62.443 v2(83.891,62.427) ; R56.1@87.946,73.937 88.208,74.199 v2@88.591,74.199
  Bottom Layer w0.127: v2(83.889,72.212) 83.889,72.846 85.293,74.25 85.862,74.25 86.267,74.655 87.616,74.655 R31.2@87.946,74.324 88.077,74.194 v2(88.591,74.194) ; v2@83.891,13.455 83.891,10.838 85.264,9.465 85.264,8.704 84.826,8.266 84.826,4.875 83.913,3.962 v2@83.913,3.673 ; v2@83.891,23.251 83.891,20.634 85.264,19.261 85.264,18.5 84.826,18.062 84.826,14.671 83.913,13.758 v2@83.913,13.469 ; v2@83.891,33.047 83.891,30.43 85.264,29.057 85.264,28.296 84.826,27.858 84.826,24.467 83.913,23.554 v2@83.913,23.265 ; v2@83.891,42.864 83.891,40.247 85.264,38.874 85.264,38.113 84.826,37.675 84.826,34.284 83.913,33.371 v2@83.913,33.082 ; v2@83.89,52.664 83.89,50.047 84.825,49.112 84.825,44.084 83.912,43.171 v2@83.912,42.882 ; v2(83.891,62.427) v2(83.891,62.427) ; v2@83.891,62.452 v2@83.892,62.453 ; v2@83.891,72.256 83.891,69.639 85.264,68.266 85.264,67.505 84.826,67.067 84.826,63.676 83.913,62.763 83.913,62.474 v2@83.892,62.453 ; v2@83.892,62.486 v2@83.892,62.453 ; v2@83.901,62.437 v2(83.891,62.427) ; v2@83.914,52.704 83.914,52.993 84.85,53.929 84.85,57.4 85.15,57.7 85.15,58.611 83.892,59.869 v2(83.891,62.427) ; v2(83.891,62.427) v2@83.892,62.453